# Altium PCB 智能马桶综合检测台V1.0.PcbDoc (part 10 of 10)
Units mil, origin at the board's own origin, x right, y up, seen from the top; angles counter-clockwise.
Board outline 8070.87 x 6102.36 mil, 2 copper layers (Top Layer, Bottom Layer); 199 components, 169 nets, 738 pads, 77 vias.
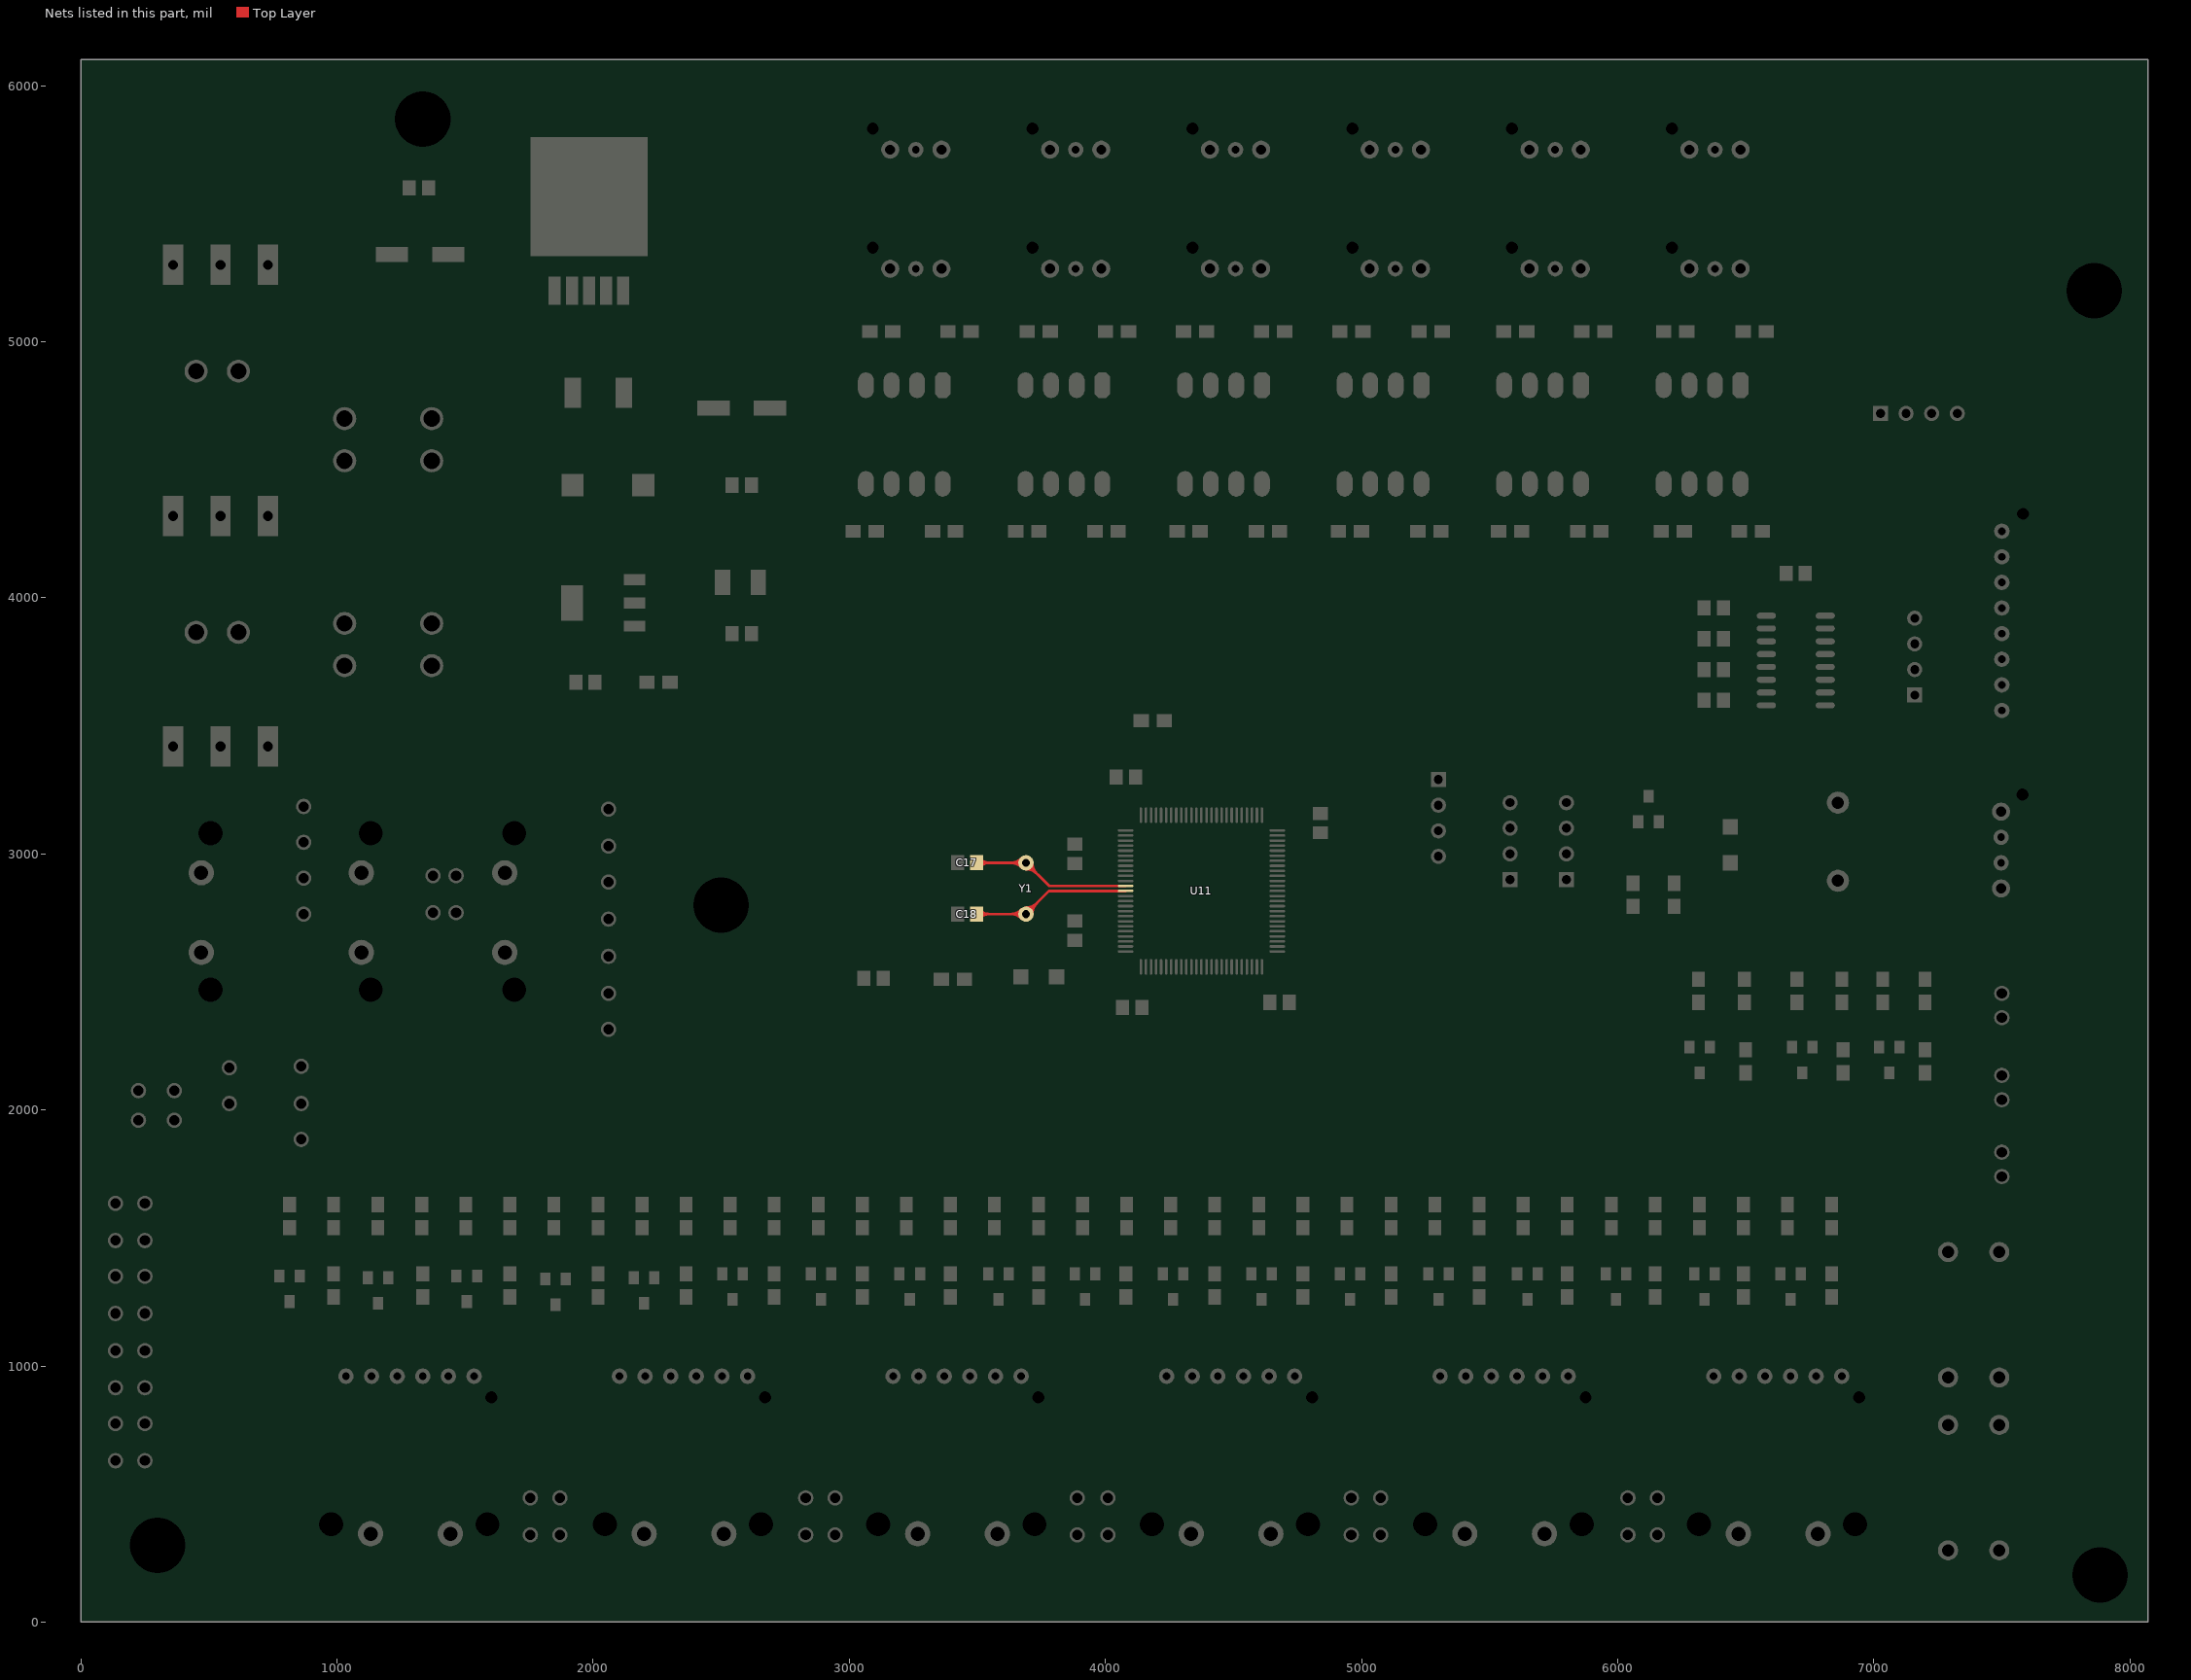
[diagram p10: the nets of this part, all layers, seen from the top]

## Via types
v1: diameter 40, hole 20, Top Layer to Bottom Layer, 68 vias
v2: diameter 50, hole 25, Top Layer to Bottom Layer, 9 vias

## Nets (pads, with @x,y where several pads share a name; then routed paths per layer and width w, separated by ;. In a path a pad name is that pad's centre, name@x,y a point inside that pad or via, vN(x,y) a via of type N, cw(c..) or ccw(c..) an arc to the next point about the centre after c; other vN are vias at no path point) (continued)
XIN: C17.2 U11.12 Y1.1 | length 2907.5
  Top Layer w10: C17.2@3497.4,2965 Y1.1@3690,2965 3780.31,2874.69 U11.12@4078.74,2874.69 ; C17.2@3511.96,2950.44 cw(c3547.11,2915.29) 3547.11,2965 ; C17.2@3511.96,2950.44 cw(c3547.11,2915.29) 3547.11,2965 ; C17.2@3511.96,2950.44 cw(c3547.11,2915.29) 3547.11,2965 ; C17.2@3511.96,2950.44 cw(c3547.11,2915.29) 3547.11,2965 ; C17.2@3511.96,2950.44 cw(c3547.11,2915.29) 3547.11,2965 ; C17.2@3511.96,2950.44 cw(c3547.11,2915.29) 3547.11,2965 ; C17.2@3511.96,2979.56 ccw(c3547.11,3014.71) 3547.11,2965 ; C17.2@3511.96,2979.56 ccw(c3547.11,3014.71) 3547.11,2965 ; C17.2@3511.96,2979.56 ccw(c3547.11,3014.71) 3547.11,2965 ; C17.2@3511.96,2979.56 ccw(c3547.11,3014.71) 3547.11,2965 ; C17.2@3511.96,2979.56 ccw(c3547.11,3014.71) 3547.11,2965 ; C17.2@3511.96,2979.56 ccw(c3547.11,3014.71) 3547.11,2965 ; 3629.64,2965 cw(c3629.64,2904.64) Y1.1@3672.32,2947.32 ; 3629.64,2965 ccw(c3629.64,3025.36) Y1.1@3672.32,2982.68 ; 3629.64,2965 cw(c3629.64,2904.64) Y1.1@3672.32,2947.32 ; 3629.64,2965 ccw(c3629.64,3025.36) Y1.1@3672.32,2982.68 ; 3629.64,2965 cw(c3629.64,2904.64) Y1.1@3672.32,2947.32 ; 3629.64,2965 ccw(c3629.64,3025.36) Y1.1@3672.32,2982.68 ; 3629.64,2965 cw(c3629.64,2904.64) Y1.1@3672.32,2947.32 ; 3629.64,2965 ccw(c3629.64,3025.36) Y1.1@3672.32,2982.68 ; 3629.64,2965 cw(c3629.64,2904.64) Y1.1@3672.32,2947.32 ; 3629.64,2965 ccw(c3629.64,3025.36) Y1.1@3672.32,2982.68 ; 3629.64,2965 ccw(c3629.64,3025.36) Y1.1@3672.32,2982.68 ; 3629.64,2965 cw(c3629.64,2904.64) Y1.1@3672.32,2947.32 ; 3653.79,2965 cw(c3653.79,2928.79) Y1.1@3679.39,2954.39 ; 3653.79,2965 ccw(c3653.79,3001.21) Y1.1@3679.39,2975.61 ; 3653.79,2965 cw(c3653.79,2928.79) Y1.1@3679.39,2954.39 ; 3653.79,2965 ccw(c3653.79,3001.21) Y1.1@3679.39,2975.61 ; 3653.79,2965 cw(c3653.79,2928.79) Y1.1@3679.39,2954.39 ; 3653.79,2965 ccw(c3653.79,3001.21) Y1.1@3679.39,2975.61 ; 3653.79,2965 cw(c3653.79,2928.79) Y1.1@3679.39,2954.39 ; 3653.79,2965 ccw(c3653.79,3001.21) Y1.1@3679.39,2975.61 ; 3653.79,2965 cw(c3653.79,2928.79) Y1.1@3679.39,2954.39 ; 3653.79,2965 ccw(c3653.79,3001.21) Y1.1@3679.39,2975.61 ; 3653.79,2965 ccw(c3653.79,3001.21) Y1.1@3679.39,2975.61 ; 3653.79,2965 cw(c3653.79,2928.79) Y1.1@3679.39,2954.39 ; Y1.1@3690,2940 cw(c3690,2879.64) 3732.68,2922.32 ; Y1.1@3690,2940 cw(c3690,2879.64) 3732.68,2922.32 ; Y1.1@3690,2940 cw(c3690,2879.64) 3732.68,2922.32 ; Y1.1@3690,2940 cw(c3690,2879.64) 3732.68,2922.32 ; Y1.1@3690,2940 cw(c3690,2879.64) 3732.68,2922.32 ; Y1.1@3690,2940 cw(c3690,2879.64) 3732.68,2922.32 ; Y1.1@3690,2950 cw(c3690,2913.79) 3715.61,2939.39 ; Y1.1@3690,2950 cw(c3690,2913.79) 3715.61,2939.39 ; Y1.1@3690,2950 cw(c3690,2913.79) 3715.61,2939.39 ; Y1.1@3690,2950 cw(c3690,2913.79) 3715.61,2939.39 ; Y1.1@3690,2950 cw(c3690,2913.79) 3715.61,2939.39 ; Y1.1@3690,2950 cw(c3690,2913.79) 3715.61,2939.39 ; Y1.1@3705,2965 ccw(c3741.21,2965) 3715.61,2939.39 ; Y1.1@3705,2965 ccw(c3741.21,2965) 3715.61,2939.39 ; Y1.1@3705,2965 ccw(c3741.21,2965) 3715.61,2939.39 ; Y1.1@3705,2965 ccw(c3741.21,2965) 3715.61,2939.39 ; Y1.1@3705,2965 ccw(c3741.21,2965) 3715.61,2939.39 ; Y1.1@3705,2965 ccw(c3741.21,2965) 3715.61,2939.39 ; Y1.1@3715,2965 ccw(c3775.36,2965) 3732.68,2922.32 ; Y1.1@3715,2965 ccw(c3775.36,2965) 3732.68,2922.32 ; Y1.1@3715,2965 ccw(c3775.36,2965) 3732.68,2922.32 ; Y1.1@3715,2965 ccw(c3775.36,2965) 3732.68,2922.32 ; Y1.1@3715,2965 ccw(c3775.36,2965) 3732.68,2922.32 ; Y1.1@3715,2965 ccw(c3775.36,2965) 3732.68,2922.32
XOUT: C18.2 U11.13 Y1.2 | length 2907.4
  Top Layer w10: C18.2@3497.4,2765 Y1.2@3690,2765 3780,2855 U11.13@4078.74,2855 ; C18.2@3511.96,2750.44 cw(c3547.11,2715.29) 3547.11,2765 ; C18.2@3511.96,2750.44 cw(c3547.11,2715.29) 3547.11,2765 ; C18.2@3511.96,2750.44 cw(c3547.11,2715.29) 3547.11,2765 ; C18.2@3511.96,2750.44 cw(c3547.11,2715.29) 3547.11,2765 ; C18.2@3511.96,2750.44 cw(c3547.11,2715.29) 3547.11,2765 ; C18.2@3511.96,2750.44 cw(c3547.11,2715.29) 3547.11,2765 ; C18.2@3511.96,2779.56 ccw(c3547.11,2814.71) 3547.11,2765 ; C18.2@3511.96,2779.56 ccw(c3547.11,2814.71) 3547.11,2765 ; C18.2@3511.96,2779.56 ccw(c3547.11,2814.71) 3547.11,2765 ; C18.2@3511.96,2779.56 ccw(c3547.11,2814.71) 3547.11,2765 ; C18.2@3511.96,2779.56 ccw(c3547.11,2814.71) 3547.11,2765 ; C18.2@3511.96,2779.56 ccw(c3547.11,2814.71) 3547.11,2765 ; 3629.64,2765 cw(c3629.64,2704.64) Y1.2@3672.32,2747.32 ; 3629.64,2765 ccw(c3629.64,2825.36) Y1.2@3672.32,2782.68 ; 3629.64,2765 cw(c3629.64,2704.64) Y1.2@3672.32,2747.32 ; 3629.64,2765 ccw(c3629.64,2825.36) Y1.2@3672.32,2782.68 ; 3629.64,2765 cw(c3629.64,2704.64) Y1.2@3672.32,2747.32 ; 3629.64,2765 ccw(c3629.64,2825.36) Y1.2@3672.32,2782.68 ; 3629.64,2765 cw(c3629.64,2704.64) Y1.2@3672.32,2747.32 ; 3629.64,2765 ccw(c3629.64,2825.36) Y1.2@3672.32,2782.68 ; 3629.64,2765 cw(c3629.64,2704.64) Y1.2@3672.32,2747.32 ; 3629.64,2765 ccw(c3629.64,2825.36) Y1.2@3672.32,2782.68 ; 3629.64,2765 ccw(c3629.64,2825.36) Y1.2@3672.32,2782.68 ; 3629.64,2765 cw(c3629.64,2704.64) Y1.2@3672.32,2747.32 ; 3653.79,2765 cw(c3653.79,2728.79) Y1.2@3679.39,2754.39 ; 3653.79,2765 ccw(c3653.79,2801.21) Y1.2@3679.39,2775.61 ; 3653.79,2765 cw(c3653.79,2728.79) Y1.2@3679.39,2754.39 ; 3653.79,2765 ccw(c3653.79,2801.21) Y1.2@3679.39,2775.61 ; 3653.79,2765 cw(c3653.79,2728.79) Y1.2@3679.39,2754.39 ; 3653.79,2765 ccw(c3653.79,2801.21) Y1.2@3679.39,2775.61 ; 3653.79,2765 cw(c3653.79,2728.79) Y1.2@3679.39,2754.39 ; 3653.79,2765 ccw(c3653.79,2801.21) Y1.2@3679.39,2775.61 ; 3653.79,2765 cw(c3653.79,2728.79) Y1.2@3679.39,2754.39 ; 3653.79,2765 ccw(c3653.79,2801.21) Y1.2@3679.39,2775.61 ; 3653.79,2765 ccw(c3653.79,2801.21) Y1.2@3679.39,2775.61 ; 3653.79,2765 cw(c3653.79,2728.79) Y1.2@3679.39,2754.39 ; Y1.2@3690,2780 ccw(c3690,2816.21) 3715.61,2790.61 ; Y1.2@3690,2780 ccw(c3690,2816.21) 3715.61,2790.61 ; Y1.2@3690,2780 ccw(c3690,2816.21) 3715.61,2790.61 ; Y1.2@3690,2780 ccw(c3690,2816.21) 3715.61,2790.61 ; Y1.2@3690,2780 ccw(c3690,2816.21) 3715.61,2790.61 ; Y1.2@3690,2780 ccw(c3690,2816.21) 3715.61,2790.61 ; Y1.2@3690,2790 ccw(c3690,2850.36) 3732.68,2807.68 ; Y1.2@3690,2790 ccw(c3690,2850.36) 3732.68,2807.68 ; Y1.2@3690,2790 ccw(c3690,2850.36) 3732.68,2807.68 ; Y1.2@3690,2790 ccw(c3690,2850.36) 3732.68,2807.68 ; Y1.2@3690,2790 ccw(c3690,2850.36) 3732.68,2807.68 ; Y1.2@3690,2790 ccw(c3690,2850.36) 3732.68,2807.68 ; Y1.2@3705,2765 cw(c3741.21,2765) 3715.61,2790.61 ; Y1.2@3705,2765 cw(c3741.21,2765) 3715.61,2790.61 ; Y1.2@3705,2765 cw(c3741.21,2765) 3715.61,2790.61 ; Y1.2@3705,2765 cw(c3741.21,2765) 3715.61,2790.61 ; Y1.2@3705,2765 cw(c3741.21,2765) 3715.61,2790.61 ; Y1.2@3705,2765 cw(c3741.21,2765) 3715.61,2790.61 ; Y1.2@3715,2765 cw(c3775.36,2765) 3732.68,2807.68 ; Y1.2@3715,2765 cw(c3775.36,2765) 3732.68,2807.68 ; Y1.2@3715,2765 cw(c3775.36,2765) 3732.68,2807.68 ; Y1.2@3715,2765 cw(c3775.36,2765) 3732.68,2807.68 ; Y1.2@3715,2765 cw(c3775.36,2765) 3732.68,2807.68 ; Y1.2@3715,2765 cw(c3775.36,2765) 3732.68,2807.68
pads on no net: 36V_IN.0 DATABOARD.0 HALL11.0 HALL12.0 HALL21.0 HALL22.0 HALL31.0 HALL32.0 HALL41.0 HALL42.0 HALL51.0 HALL52.0 HALL61.0 HALL62.0 HMI.0 HMI.3 HMI.6 K1.2@7490,280 K2.2@7490,955 M1_POW.0 M2_POW.0 M3_POW.0 M4_POW.0 M5_POW.0 M6_POW.0 M_60_1.0 M_60_2.0 M_60_3.0 M_60_4.0 M_86_1.0 M_86_2.0 P4.0 P5.0 S1.3 S2.3 S3.3 U1.3@1984.31,5566.01 U2.4 U11.1 U11.2 U11.3 U11.4 U11.5 U11.7 U11.8 U11.9 U11.15 U11.16 U11.17 U11.18 U11.23 U11.24 U11.37 U11.38 U11.53 U11.54 U11.59 U11.70 U11.71 U11.73 U11.77 U11.81 U11.82 U11.89 U11.90

## Polygon pours and split planes (outlines as drawn)
AGND on Top Layer "Bottom Layer-No Net" (solid, remove dead copper, pour order 1000): 3245,3340 3245,2370 4296.26,2370 4296.26,3333.74 4290,3340 3245,3340
AGND on Bottom Layer "Top Layer-No Net" (solid, remove dead copper, pour order 1001): 0,6102.36 8070.87,6102.36 8070.87,0 7200,0 7200,800 700,800 700,1800 2100,1800 2100,3600 0,3600 0,6102.36 8070.87,6102.36
36V_AGND on Bottom Layer "Top Layer-No Net" (solid, remove dead copper, pour order 1000): 500,2300 1900,2300 1900,3100 0,3100 0,0 7000,0 7000,600 500,600 500,2300

## Keep-outs
Keep-Out Layer:
  the board outline again, w10

## Silkscreen, mask and mechanical layers (free items; w line width, h text height)
Top Overlay:
  lines w10: 165,2265 305,2265 ; 165,2320 165,2460 ; 165,2561.79 165,2701.79 ; 165,2803.57 165,2943.57 ; 165,3045.36 165,3185.36 ; 165,3287.14 165,3427.14 ; 165,3528.93 165,3668.93 ; 165,3770.71 165,3910.71 ; 165,4012.5 165,4152.5 ; 165,4254.29 165,4394.29 ; 165,4496.07 165,4636.07 ; 165,4737.86 165,4877.86 ; 165,4979.64 165,5119.64 ; 165,5221.43 165,5361.43 ; 165,5463.21 165,5603.21 ; 165,5705 165,5845 ; 175,5880 315,5880 ; 400,2265 540,2265 ; 418,5880 558,5880 ; 640,2265 780,2265 ; 661,5880 801,5880 ; 883,2265 1023,2265 ; 904,5880 1044,5880 ; 1070,5195 1070,5335 ; 1070,5450 1070,5590 ; 1070,5705 1070,5845 ; 1110,5140 1250,5140 ; 1126,2265 1266,2265 ; 1350,5140 1490,5140 ; 1369,2265 1509,2265 ; 1560,3253 1560,3393 ; 1560,3496 1560,3636 ; 1560,3739 1560,3879 ; 1560,3982 1560,4122 ; 1560,4225 1560,4365 ; 1560,4490 1560,4630 ; 1560,4733 1560,4873 ; 1560,4976 1560,5116 ; 1592,3230 1732,3230 ; 1612,2265 1752,2265 ; 1827,3230 1967,3230 ; 1855,2265 1995,2265 ; 2000,2318 2000,2458 ; 2000,2556.67 2000,2696.67 ; 2000,2795.33 2000,2935.33 ; 2000,3034 2000,3174 ; 7150,285 7245,285 ; 7150,770 7250,770 ; 7150,955 7250,955 ; 7150,1445 7245,1445 ; 7530,770 7635,770 ; 7530,955 7635,955 ; 7535,285 7635,285 ; 7535,1445 7635,1445
  text "电源区" at 405,5635 h150
  text "OFF" at 390,5510 h40
  text "ON" at 640,5510 h40
  text "综合测试台_A" at 7785,5480 h80 r90
  text "2018年1月30日" at 7990,5455 h80 r90
  text "Peng Wei CASITI" at 7885,5380 h80 r90
  text "+" at 1520,5325 h40
  text "VCC12V" at 315,5015 h40
  text "12V" at 1105,4960 h150
  text "+" at 2105,4885 h40
  text "3V3" at 6975,4810 h40
  text "TX" at 7095,4810 h40
  text "RX" at 7190,4810 h40
  text "GND" at 7275,4810 h40
  text "+" at 2395,4785 h40
  text "VCC12V" at 895,4620 h40 r90
  text "VCC12V" at 1235,4615 h40 r90
  text "OFF" at 385,4530 h40
  text "ON" at 635,4530 h40
  text "GND" at 7695,4265 h40 r270
  text "24V" at 1070,4175 h150
  text "+" at 2485,4140 h40
  text "RX" at 7695,3995 h40 r270
  text "VCC24V" at 320,3985 h40
  text "TX" at 7695,3895 h40 r270
  text "GND" at 7285,3875 h40 r90
  text "VCC24V" at 905,3795 h40 r90
  text "VCC24V" at 1230,3790 h40 r90
  text "RX" at 7285,3785 h40 r90
  text "+" at 1995,3715 h40
  text "TX" at 7285,3680 h40 r90
  text "12V" at 7695,3660 h40 r270
  text "OFF" at 380,3635 h40
  text "ON" at 630,3635 h40
  text "5V" at 7290,3585 h40 r90
  text "36V" at 1060,3325 h150
  text "5V" at 7685,3200 h40 r270
  text "TX" at 7689.7,3100.3 h40 r270
  text "RX" at 7690,3000 h40 r270
  text "GND" at 7690,2905 h40 r270
  text "+" at 6855,2735 h40
  text "VCC36V" at 1475,2490 h40 r90
  text "VCC36V" at 890,2485 h40 r90
  text "VCC36V" at 330,2475 h40 r90
  text "+" at 7635,2340 h40
  text "+" at 7640,2020 h40
  text "+" at 7640,1720 h40
  text "ENA" at 1185,775 h40 r180
  text "PUL" at 1385,775 h40 r180
  text "DIR" at 1585,775 h40 r180
  text "ENA" at 2255,775 h40 r180
  text "PUL" at 2455,775 h40 r180
  text "DIR" at 2655,775 h40 r180
  text "ENA" at 3320,775 h40 r180
  text "PUL" at 3520,775 h40 r180
  text "DIR" at 3720,775 h40 r180
  text "ENA" at 4385,775 h40 r180
  text "PUL" at 4585,775 h40 r180
  text "DIR" at 4785,775 h40 r180
  text "ENA" at 5460,775 h40 r180
  text "PUL" at 5660,775 h40 r180
  text "DIR" at 5860,775 h40 r180
  text "ENA" at 6530,775 h40 r180
  text "PUL" at 6730,775 h40 r180
  text "DIR" at 6930,775 h40 r180
  text "GND" at 1180,180 h40 r180
  text "VCC36V" at 1520,180 h40 r180
  text "GND" at 2255,180 h40 r180
  text "VCC36V" at 2595,180 h40 r180
  text "GND" at 3320,177.24 h40 r180
  text "VCC36V" at 3660,177.24 h40 r180
  text "GND" at 4390,177.24 h40 r180
  text "VCC36V" at 4730,177.24 h40 r180
  text "GND" at 5470,175 h40 r180
  text "VCC36V" at 5810,175 h40 r180
  text "GND" at 6530,170 h40 r180
  text "VCC36V" at 6870,170 h40 r180

## Dimensions
0,0 to 0,6102.36 on Top Overlay
0,0 to 8070.87,0 on Top Overlay